# Altium PCB 遥控启停.PcbDoc
Units mil, origin at the board's own origin, x right, y up, seen from the top; angles counter-clockwise.
Board outline 1860.24 x 2647.64 mil, 2 copper layers (Top Layer, Bottom Layer); 53 components, 38 nets, 167 pads, 35 vias.
Unrouted connection lines stored in the file: 44.
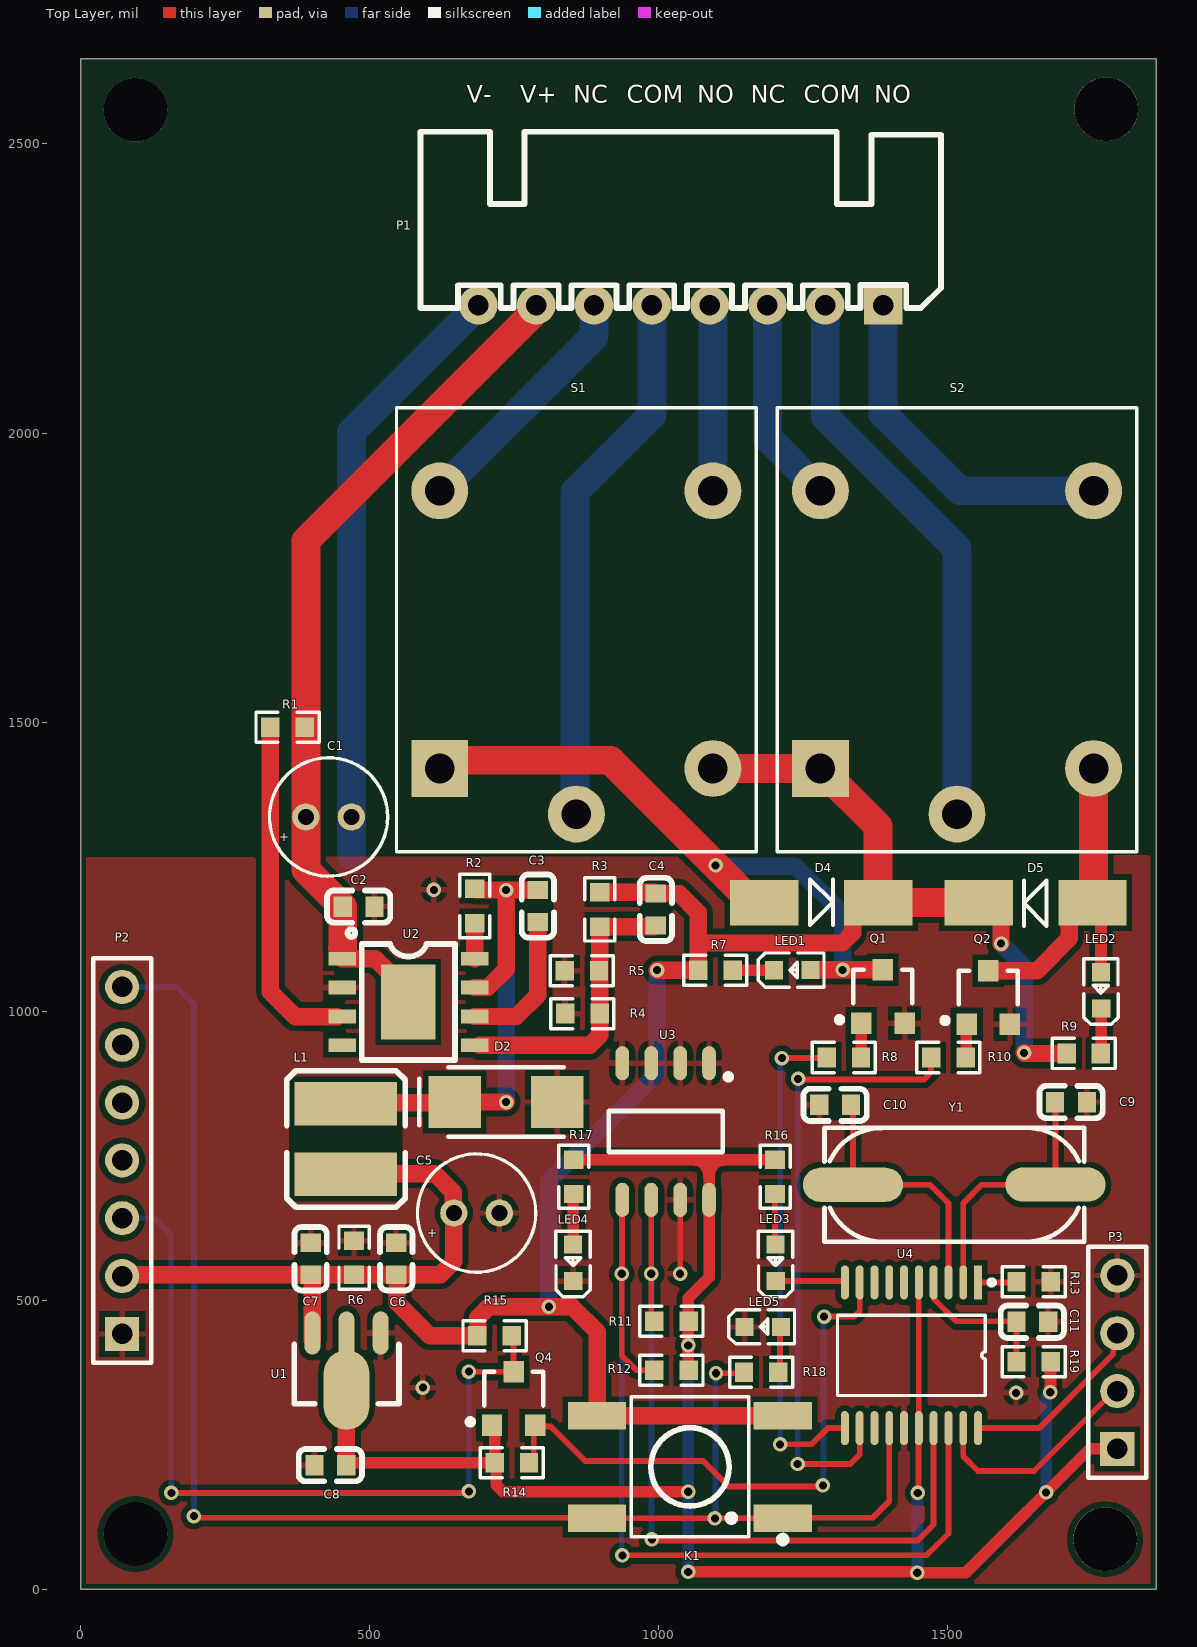
[diagram p0: Top Layer view]
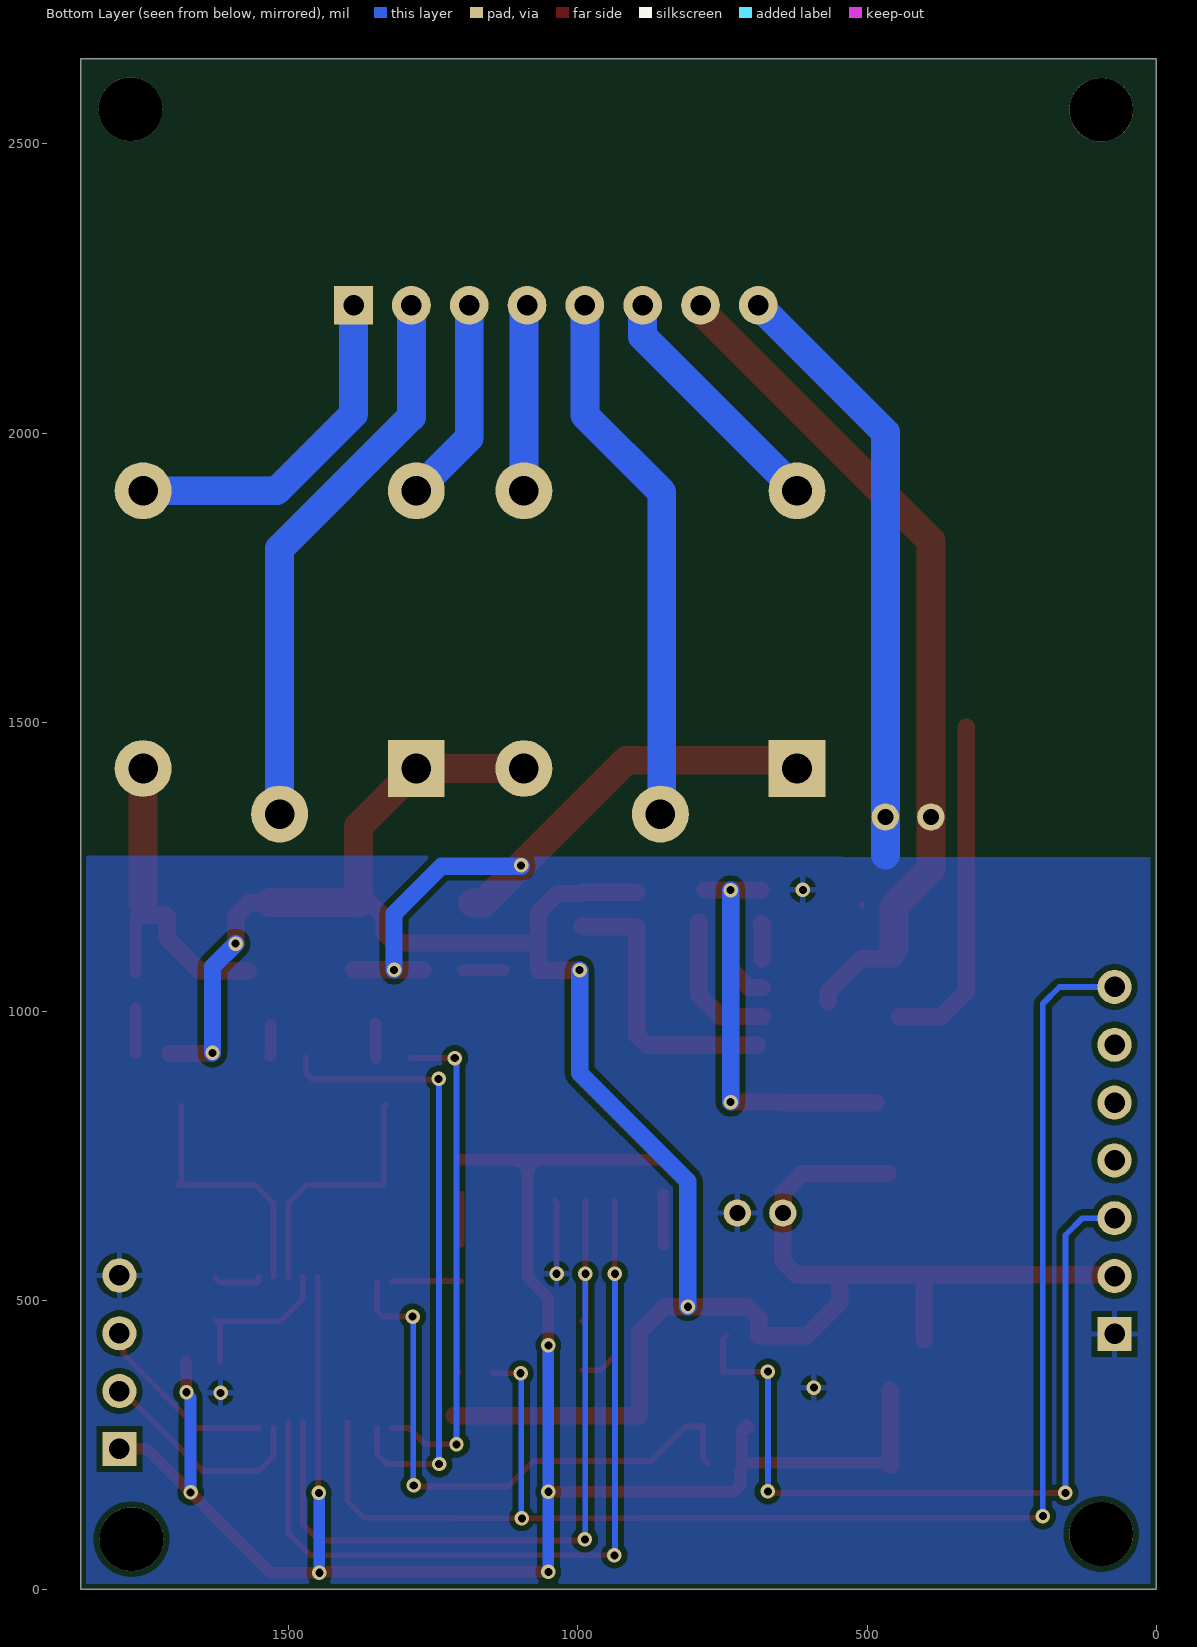
[diagram p1: Bottom Layer view, seen from below]
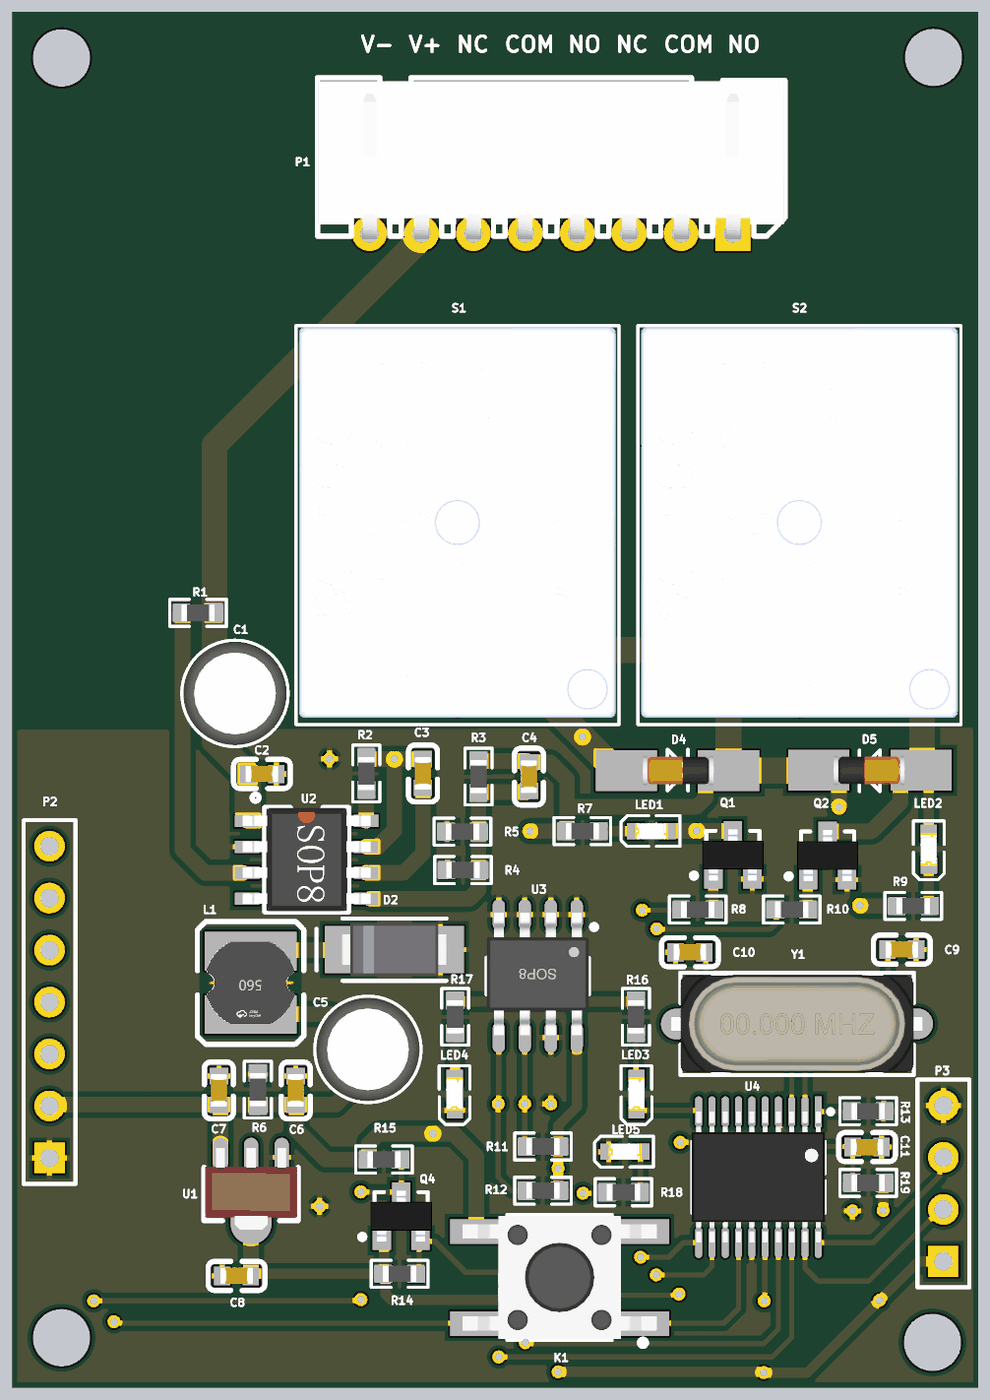
[diagram p2: 3D render of the assembled board from above, using the file's embedded part models]

## Layer stack, top to bottom
Top Solder: solder mask 0.4, Solder Resist, Dk 3.5
Top Layer: signal copper 1.4
Dielectric 1: dielectric 12.6, FR-4, Dk 4.8
Bottom Layer: signal copper 1.4
Bottom Solder: solder mask 0.4, Solder Resist, Dk 3.5

## Board outline
0,0 0,2647.64 1860.24,2647.64 1860.24,0

## Design rules (kind name [scope] priority, off if disabled: settings)
BoardOutlineClearance [All] p1: gap=10 ignorepadtopadclearanceinfootprint=FALSE
Clearance Clearance_1 [InPolygon] p1: gap=10 ignorepadtopadclearanceinfootprint=TRUE
Clearance [All] p2: gap=10 ignorepadtopadclearanceinfootprint=TRUE except(0: Arc-Hole Track-Hole SMDPad-Hole THPad-Hole Via-Hole Fill-Hole Poly-Hole Region-Hole Text-Hole)
PolygonConnect [All] p1: connectstyle=Relief reliefconductorwidth=10 reliefentries=4 polygonreliefangle="90 Angle" airgapwidth=10
RoutingVias [All] p1: holewidth=14 width=25 viastyle="Through Hole" minholewidth=14 minwidth=25 maxholewidth=28 maxwidth=50
SolderMaskExpansion [All] p1: expansion=4 istentingtop=FALSE
Width [All] p1: maxlimit=50 minlimit=10 preferedwidth=20
30 further rules are at their usual default settings.

## Components (designator, comment, footprint, x,y, rotation, side; value= is the part's Value field where it differs from the comment)
C1 "Cap Pol" 16V100uF 429,1336 r0 top value=100uF
C2 "100nF" C0603 481,1181 r0 top
C3 "100nF" C0603 791,1182 r90 top
C4 "100nF" C0603 995,1176 r90 top
C5 "Cap Pol" 16V100uF 685,651 r0 top value=100uF
C6 "100nF" C0603 546,572 r270 top
C7 "10uF" C0603 398,572 r270 top
C8 "10uF" C0603 432,215 r0 top
C9 "20pF" C0603 1713,843 r0 top
C10 "20pF" C0603 1305,838 r180 top
C11 "0.1uF" C0603 1646,463 r180 top value=100nF
D2 "SS54" DIODE-SMA 736,843 r180 top
D4 "1N4148" DIODE-1206 1182.57,1187.5 r0 top
D5 "1N4148" DIODE-1206 1750,1188 r180 top
K1 "SW-PB" SW-SMD_4P-L6.0-W6.0 1054,212 r180 top
L1 "47uH" IND-SMD_L4.5-W4.0 459,779 r270 top
LED1 "LED" LED0603-RD_RED 1231,1071 r0 top
LED2 "LED" LED0603-RD_RED 1765,1036 r90 top
LED3 "LED0" LED0603-RD_RED 1202.13,565 r90 top
LED4 "LED0" LED0603-RD_RED 852,565 r90 top
LED5 "LED0" LED0603-RD_RED 1180,454 r0 top
P1 "Header 8" XH2.54-W-8P 1038,2221 r180 top
P2 "Header 7" HDR1X7 72,442 r90 top
P3 "Header 4" HDR1X4 1793,243 r90 top
Q1 "SS8050" SOT-23 1387.6,1025.26 r0 top
Q2 "SS8050" SOT-23 1570,1024 r0 top
Q4 "AO3400" SOT-23-MOSFET 749,330 r0 top
R1 "470K" R0603 358,1491 r180 top
R2 "0.05" R0603 682,1182 r90 top
R3 "3.6k" R0603 898,1176 r90 top
R4 "nc" R0603 868,996 r0 top
R5 "1.2K" R0603 867,1070 r0 top
R6 "1K" R0603 473,573.66 r270 top
R7 "10K" R0603 1098,1071 r180 top
R8 "10K" R0603 1320,920 r180 top
R9 "10K" R0603 1735,927 r180 top
R10 "10K" R0603 1501,920 r180 top
R11 "4.7K" R0603 1022,464 r0 top
R12 "4.7K" R0603 1022,379 r0 top
R13 "10K" R0603 1648.25,532 r0 top
R14 "4.7K" R0603 746,219 r180 top
R15 "4.7K" R0603 716,439 r180 top
R16 "1K" R0603 1201.13,713.66 r90 top
R17 "1K" R0603 853,713.66 r90 top
R18 "1K" R0603 1176.98,375.95 r180 top
R19 "10K" R0603 1648.25,394 r180 top
S1 "Relay" SongLe_Relay 857.4,1659.92 r270 top
S2 "Relay" SongLe_Relay 1515.78,1659.92 r270 top
U1 "AMS1117-3.3" SOT89 460,394.2 r90 top
U2 "EG1192L" ESOP-8_L4.9-W3.9-P1.27-LS6.0-BL-EP 567,1016 r270 top
U3 "M24C02-WMN6TP" SOP-8 1012,792 r270 top
U4 "STM32F030F4P6" TSSOP20 1437,405 r270 top
Y1 "Passive_Crystal_2Pin" X-SM49 1511,700 r0 top value=8M

## Footprints (in the part's own frame and the unit in brackets; to place one, negate y for a bottom-side part, rotate by r counter-clockwise, add the part's x,y. Pads: shape width x height; smd on the part's side, far side on the other; paste and mask are expansions set on the pad)
16V100uF [mm]
  round 1.2 hole 0.7: 1(-1,0) 2(1,0)
  silkscreen extent -2.6,-2.6 2.6,2.6, body extent -2.5,-2.5 2.5,2.5, height 11
C0603 [mm]
  rect 0.8x0.9 smd: 1(-0.7,0) 2(0.7,0)
  silkscreen extent -1.39,-0.71 1.39,0.71, body extent -0.8,-0.4 0.8,0.4, height 0.76
DIODE-1206 [mm] "玻璃封装二极管"
  rect 3x2 smd: 1(0,0) 2(5,0)
  silkscreen extent 2.01,-0.97 3.01,1.03, body extent 0.79,-0.73 4.29,0.73, height 1.43
DIODE-SMA [mm] "1N5822二极管-SMA/214AC"
  rect 2.3x2.3 smd: 1(-2.25,0) 2(2.25,0)
  silkscreen extent -2.54,-1.52 3.81,1.52, body extent -2.6,-1.3 2.6,1.3, height 2.7
ESOP-8_L4.9-W3.9-P1.27-LS6.0-BL-EP [mm]
  rect 0.6x1.2 smd: 1(-1.905,-2.908) 2(-0.635,-2.908) 3(0.635,-2.908) 4(1.905,-2.908) 5(1.905,2.908) 6(0.635,2.908) 7(-0.635,2.908) 8(-1.905,2.908)
  rect 3.3x2.4 smd: 9(0,0)
  silkscreen extent -3.2,-2.67 2.55,2.05, body extent -2.53,-3.13 2.53,3.13, height 1.76
HDR1X4 [mm] "Connector; Header; 4 Position"
  rect 1.5x1.5 hole 0.9: 1(0,0)
  round 1.5 hole 0.9: 2(2.54,0) 3(5.08,0) 4(7.62,0)
  silkscreen extent -1.27,-1.27 8.89,1.27
HDR1X7 [mm] "Connector; Header; 7 Position"
  rect 1.5x1.5 hole 0.9: 1(0,0)
  round 1.5 hole 0.9: 2(2.54,0) 3(5.08,0) 4(7.62,0) 5(10.16,0) 6(12.7,0) 7(15.24,0)
  silkscreen extent -1.27,-1.27 16.51,1.27
IND-SMD_L4.5-W4.0 [mm]
  rect 1.9x4.5 smd: 1(-1.55,0) 2(1.55,0)
  silkscreen extent -3,-2.6 3,2.6, body extent -2,-2.16 2,2.16, height 3.21
LED0603-RD_RED [mm]
  rect 0.8x0.8 smd: 1(0.8,0.003) 2(-0.8,-0.003)
  silkscreen extent -1.49,-0.75 1.39,0.76, body extent -0.81,-0.4 0.81,0.41, height 0.6
R0603 [mil]
  rect 31.75x34.02 smd paste-3937.01 mask+2: 1(-29.66,0) 2(29.66,0)
  silkscreen extent -55,-26 55,26, body extent -32,-16 32,16, height 17
SongLe_Relay [mm]
  rect 2.5x2.5 hole 1.3: 1(6.1,-6)
  round 2.5 hole 1.3: 2(8.1,0) 3(6.1,6) 4(-6.1,6) 6(-6.1,-6)
  silkscreen extent -9.75,-7.9 9.75,7.9, body extent -9.68,-7.75 9.42,7.75, height 15.6
SOP-8 [mm]
  oval 1.5x0.6 smd: 1(-3,1.905) 2(-3,0.635) 3(-3,-0.635) 4(-3,-1.905) 5(3,-1.905) 6(3,-0.635) 7(3,0.635) 8(3,1.905)
  silkscreen extent -2.52,-2.5 0.9,2.88, body extent -3.1,-2.5 2.9,2.5, height 1.9
SOT89 [mm] "SOT89封装"
  oval 1.9x0.7 smd: 1(1.25,-1.5) 3(1.25,1.5)
  oval 3.5x2 smd: 2(-1.25,0)
  oval 2.1x0.7 smd: 2(1.151,0)
  silkscreen extent -1.85,-2.3 0.75,2.3, body extent -2.3,-2.25 1.7,2.25, height 1.5
SOT-23 [mm]
  rect 0.9x0.95 smd: 1(-0.95,-1.175) 2(0.95,-1.175) 3(0,1.175)
  silkscreen extent -2.03,-1.14 1.3,1.18, body extent -1.5,-1.25 1.5,1.25, height 1.15
SOT-23-MOSFET [mm] "SOT-23封装MOSFET"
  rect 0.9x0.95 smd: D(0,1.175) G(-0.95,-1.175) S(0.95,-1.175)
  silkscreen extent -2.03,-1.14 1.3,1.18, body extent -1.5,-1.25 1.5,1.25, height 1.15
SW-SMD_4P-L6.0-W6.0 [mm]
  rect 2.55x1.2 smd: 1(-4.075,2.25) 1(4.075,2.25) 2(-4.075,-2.25) 2(4.075,-2.25)
  silkscreen extent -4.23,-3.08 2.57,3.34, body extent -4.75,-3 4.75,3, height 7.42
TSSOP20 [mm]
  rect 1.5x0.35 smd: 1(-3.2,2.925)
  oval 1.5x0.35 smd: 2(-3.2,2.275) 3(-3.2,1.625) 4(-3.2,0.975) 5(-3.2,0.325) 6(-3.2,-0.325) 7(-3.2,-0.975) 8(-3.2,-1.625) 9(-3.2,-2.275) 10(-3.2,-2.925) 11(3.2,-2.925) 12(3.2,-2.275) 13(3.2,-1.625) 14(3.2,-0.975) 15(3.2,-0.325) 16(3.2,0.325) 17(3.2,0.975) 18(3.2,1.625) 19(3.2,2.275) 20(3.2,2.925)
  silkscreen extent -3.3,-3.25 1.77,3.63, body extent -3.2,-3.25 3.2,3.25, height 1.2
X-SM49 [mm] "贴片晶振"
  oval 4.4x1.5 smd: 1(4.45,0.004) 2(-4.45,-0.004)
  silkscreen extent -5.7,-2.5 5.72,2.5, body extent -6.15,-2.35 6.15,2.35, height 4.4
XH2.54-W-8P [mm] "接插件，8P"
  rect 1.7x1.7 hole 0.9: 1(-8.89,0)
  round 1.7 hole 0.9: 2(-6.35,0) 3(-3.81,0) 4(-1.27,0) 5(1.27,0) 6(3.81,0) 7(6.35,0) 8(8.89,0)
  silkscreen extent -11.43,-7.62 11.43,0.13, body extent -11.4,-7.45 11.38,0.25, height 2.89

## Part data
C1 C5: "极性电解电容", LatestRevisionDate=17-Jul-2002, LatestRevisionNote="Re-released for DXP Platform.", PackageReference=RB7.6-15, Published=8-Jun-2000, Publisher="Altium Limited", Vol=16V
C2 C3 C4 C6 C7 C8 C9 C10: library part Cap, "无极性电容", LatestRevisionDate=17-Jul-2002, LatestRevisionNote="Re-released for DXP Platform.", PackageReference=RAD-0.3, Published=8-Jun-2000, Publisher="Altium Limited"
C11: library part Cap, "Capacitor", LatestRevisionDate=17-Jul-2002, LatestRevisionNote="Re-released for DXP Platform.", PackageDescription="Radial Cap, Thru-Hole; 2 Leads; 0.3 in Pin Spacing", PackageReference=RAD-0.3, Published=8-Jun-2000, Publisher="Altium Limited"
D2 D4 D5: library part Diode, "二极管"
K1: "微动开关", LatestRevisionDate=17-Jul-2002, LatestRevisionNote="Re-released for DXP Platform.", PackageReference=SPST-2, Published=24-Mar-1999, Publisher="Altium Limited", Suppliter Part=C961737
L1: library part Inductor, "电感", Code_IEC=1005, Code_JEITA=0402, LatestRevisionDate=17-Jul-2002, LatestRevisionNote="Re-released for DXP Platform.", PackageReference=0402-A, Published=8-Jun-2000, Publisher="Altium Limited"
LED1 LED2: "发光二极管", LatestRevisionDate=08-Jul-2005, LatestRevisionNote="Mech Layer 1 removed.", PackageReference=LED-0, Published=8-Jun-2000, Publisher="Altium Limited"
LED3 LED4 LED5: "Typical INFRARED GaAs LED", LatestRevisionDate=08-Jul-2005, LatestRevisionNote="Mech Layer 1 removed.", PackageDescription="LED; 2 Leads", PackageReference=LED-0, Published=8-Jun-2000, Publisher="Altium Limited"
P1: "Header, 8-Pin", LatestRevisionDate=17-Jul-2002, LatestRevisionNote="Re-released for DXP Platform.", Publisher="Altium Limited"
P2: "Header, 7-Pin", LatestRevisionDate=17-Jul-2002, LatestRevisionNote="Re-released for DXP Platform.", Publisher="Altium Limited"
P3: "Header, 4-Pin", LatestRevisionDate=17-Jul-2002, LatestRevisionNote="Re-released for DXP Platform.", Publisher="Altium Limited"
Q1 Q2: "NPN贴片三极管", PackageDocument=Sep-1998, Code_JEDEC=TO-92A, ComponentLink1Description="Manufacturer Link", ComponentLink1URL=http://www.fairchildsemi.com/, ComponentLink2Description=Datasheet, ComponentLink2URL=http://www.fairchildsemi.com/ds/2N%2F2N3904.pdf, DatasheetDocument=1997, LatestRevisionDate=15-Jan-2003, LatestRevisionNote="PCB Footprint 'BCY-W3/D4.7' replaced", PackageReference=TO-92A, Published=8-Jun-2000, Publisher="Altium Limited"
Q4: library part MOSFET-N, "N沟道MOS管"
R1 R2 R3 R4 R5 R6 R7 R8 R9 R10 R11 R12 R13 R14 R15 R16 R17 R18 R19: library part Res, "贴片电阻", LatestRevisionDate=17-Jul-2002, LatestRevisionNote="Re-released for DXP Platform.", PackageReference=AXIAL-0.4, Published=8-Jun-2000, Publisher="Altium Limited"
S1 S2: "继电器"
U1: library part AMS1117, "3.3V稳压芯片"
U2: "20-100V高压电源管理芯片", Input Voltage=10V~100V, JLCPCB Part Class="Extended Part", LCSC Part Name=零功耗使能降压DCDC电源芯片, Manufacturer=EG(屹晶微), Operating Temperature=-45℃~+125℃, Output Current=3A, Output Voltage=-, Quiescent Current (Iq)=2uA, Switching Frequency=110kHz, Add into BOM=yes, Convert to PCB=yes, Datasheet=https://atta.szlcsc.com/upload/public/pdf/source/20220401/C4C4A2A7D21C9FC2776ECF40A6ED664C.pdf, Device=EG1192L, Function=降压型, Manufacturer Part=EG1192L, Number of Outputs=1, Output Type=可调, Supplier=LCSC, Supplier Footprint=ESOP-8, Supplier Part=C2987436, Switch tube (built-in/external)=内置, Symbol=EG1192L, Synchronous Rectification=是, Topology=降压式
U3: JLCPCB Part Class="Extended Part", Manufacturer=ST(意法半导体), Operating Temperature=-40℃~+85℃, Supply Voltage=2.5V~5.5V, Add into BOM=yes, Convert to PCB=yes, Data Retention - TDR (Year)=200年, Datasheet=https://atta.szlcsc.com/upload/public/pdf/source/20140724/1457707167301.pdf, Device=M24C02-WMN6TP, Interface Type=I2C, LCSC Part Name=M24C02-WMN6TP, Manufacturer Part=M24C02-WMN6TP, Memory Size=2Kbit, Supplier=LCSC, Supplier Footprint=SOIC-8, Supplier Part=C7562, Symbol=M24C02-WMN6TP, Write Cycle Endurance=1200000次, Write Cycle Time (Tw)=5ms
U4: "STM32F030F4P6_CortexM0芯片"
Y1: "两脚无源晶振", LatestRevisionDate=17-Jul-2002, LatestRevisionNote="Re-released for DXP Platform.", PackageReference=R38, Published=8-Jun-2000, Publisher="Altium Limited"

## Free pads (board coordinates)
  round 110.24 hole 110.24 unplated: 0(95,96) 0(95,2559) 0(1772,87) 0(1774,2560)

## Via types
v1: diameter 25, hole 14, Top Layer to Bottom Layer, 35 vias

## Nets (pads, with @x,y where several pads share a name; then routed paths per layer and width w, separated by ;. In a path a pad name is that pad's centre, name@x,y a point inside that pad or via, vN(x,y) a via of type N, cw(c..) or ccw(c..) an arc to the next point about the centre after c; other vN are vias at no path point)
+3.3V: C8.2 P3.1 Q4.G R11.2 R12.2 R14.2 R16.2 R17.2 R19.1 U1.2 U3.8 U4.5 U4.16 | length 3518.1
  Top Layer w10: v1(1447.89,167) v1@1449.4,168.51 ; v1@1449.4,167 1449.4,288.62 1449.8,289.02 U4.5@1449.8,540.98
  Top Layer w20: C8.2@463.56,219 R14.2 716.34,276.66 709,284 Q4.G@704.56,279.56 ; R14.2@718.83,206 718.83,180.72 730.54,169 v1(1051,169) ; R17.2 1087,743.32 ; v1(1051,30.5) 1444.15,30.5 1445.65,29 1531,29 1745,243 P3.1 ; R12.2@1051,381.66 1051.33,381.99 1051.33,421.67 v1(1051,422) 1051.33,422.33 1051.33,504.33 1087,540 U3.8 1087,743.32 ; R16.2 1087,743.32 ; v1(1677,341) 1677.45,341.45 1677.45,393.55 R19.1
  Top Layer w30: U1.2@460,345 459.78,344.78 C8.2@459.78,217.19 ; C8.2@463.56,219 462.28,217.72 460.31,217.72 C8.2@459.78,217.19 ; C8.2@459.78,217.19 459.56,216.97 C8.2 459.78,215.22 C8.2@459.78,217.19
  Bottom Layer w20: v1(1051,30.5) v1(1051,422) ; v1(1447,29) 1447.44,29.44 1447.44,166.56 v1(1447.89,167) ; v1(1670,168) 1670,332.65 1677,339.65 v1(1677,341)
+5V: C4.2 C5.1 C6.2 C7.2 D4.2 D5.2 K1.2 L1.2 P2.2 R3.2 R6.2 R7.2 R9.2 R15.2 S1.3 S2.1 U1.3 | length 4313.5
  Top Layer w30: P2.2@65,555 P2.2@70.56,549.44 ; P2.2 74.44,544.44 C7.2 ; U1.3@400.95,431.9 400.95,543.46 399.97,544.44 473,544.44 C6.2 ; L1.2@464,718.98 613.02,718.98 644.79,687.21 644.79,651.84 C5.1 645.63,567.63 622.44,544.44 C6.2 ; R3.2 990.93,1205.66 992.28,1204.31 C4.2@992.9,1204.31 ; C4.2 1035.44,1203.56 1068.34,1170.66 1068.34,1118 ; v1(997,1071) R7.2 1068.34,1118 ; 1131.58,300.58 893.57,300.58 893.57,445.44 850,489 706,489 687.22,470.22 687.22,439.88 R15.2 604,439 547.33,495.67 547.33,543.69 546.58,544.44 C6.2 ; 1132,301 1132.42,300.58 K1.2@1214.44,300.58 ; D4.2 1359.74,1187.5 1335.37,1163.13 1335.37,1135.57 1317.8,1118 1068.34,1118 ; D5.2 1567.63,1188 1592,1163.63 v1@1592,1117.31 ; v1(1632,928) 1633,927 R9.2
  Top Layer w50: S1.3 S2.1 1379.43,1319.9 D4.2 1379.68,1187.75 D5.2@1531.47,1187.75
  Bottom Layer w30: v1(810,489) 810,706 997,893 v1(997,1071) ; v1(1592,1117) 1632,1077 v1(1632,928)
BOOT0: R13.1 U4.1 | length 87.3
  Top Layer w10: U4.1@1552.16,540.89 1552.16,532.89 1554.05,531 1619.34,531 R13.1@1627.34,539
COM1: P1.5 S1.2 | length 935.1
  Bottom Layer w50: S1.2@855,1341.02 855,1898 988,2031 P1.5
COM2: P1.2 S2.2 | length 984.3
  Bottom Layer w50: P1.2 1288,2028 1515.78,1800.22 S2.2@1515.78,1331.02
D0_3.3V: Q4.S R14.1 U4.9 | length 1021
  Top Layer w10: R14.1 783.8,227.14 783.8,284 786.06,281.74 813.26,281.74 873,222 1077,222 1121,178 1282,178 v1(1284,180) ; v1(1286,472) 1338,472 1347.43,481.43 U4.9
  Bottom Layer w10: v1(1284,180) 1285,181 1285,471 v1(1286,472)
D0_5V: P2.3 Q4.D R15.1 | length 1406.6
  Top Layer w10: v1(157,167) 669,167 v1(671.5,169.5) ; v1@671.56,376.58 Q4.D@747,376.58 ; R15.1@742.66,439 749,432.66 Q4.D
  Top Layer w20: v1(671.5,376.64) v1@671.56,376.58
  Bottom Layer w10: P2.3 128,642 157,613 v1(157,167) ; v1(671.5,169.5) v1(671.5,376.64)
GND: C1.2 C2.2 C5.2 C6.1 C7.1 C8.1 C9.2 C10.2 C11.1 D2.1 LED4.2 LED5.2 P1.8 P2.1 P3.4 Q1.2 Q2.2 R4.1 R5.1 R6.1 R13.2 U1.1 U2.2 U3.1 U3.2 U3.3 U3.4 U3.7 U4.15 | length 1171.6
  Top Layer w10: C2.2@508.56,1183.03 C2.2@508.56,1185 ; v1(1037,546) 1037,669.96 U3.7@1039.61,672.56
  Bottom Layer w50: 468.37,1270 468.37,2001.37 P1.8
  other v1: 1618,340 592,349 611,1210
NC1: P1.6 S1.6 | length 431.4
  Bottom Layer w50: S1.6 888,2166.9 P1.6
NC2: P1.3 S2.6 | length 365.9
  Bottom Layer w50: P1.3 1188,1991.64 S2.6 ; S2.6@1274.56,1895.08 S2.6@1279.56,1890.08
NetC3_1: C3.1 U2.6 | length 251.3
  Top Layer w30: U2.6 754,991 791,1028 C3.1
NetC3_2: C3.2 D2.2 L1.1 R2.2 U2.7 | length 919.3
  Top Layer w30: L1.1@485,842.02 D2.2@647.42,842.02 ; D2.2 v1(736,843) ; U2.7 704.43,1041 736,1072.57 v1(736,1209.56) ; R2.2@683.88,1209.78 718.06,1209.78 718.28,1209.56 v1(736,1209.56) ; C3.2@781,1209.56 v1(736,1209.56)
  Bottom Layer w30: v1(736,843) v1(736,1209.56)
NetC4_1: C4.1 R3.1 R4.2 R5.2 U2.5 | length 498.5
  Top Layer w30: U2.5@690.12,940.92 880.43,940.92 898,958.5 898,986 898,1060 898,1070 R3.1 990.93,1146.34 992.28,1147.69 C4.1@992.9,1147.69
NetC9_1: C9.1 U4.2 Y1.1 | length 444.9
  Top Layer w10: U4.2@1526.57,540.98 1526.57,668.02 1558.37,699.83 1680.2,699.83 Y1.1@1691.74,699.83 ; Y1.1@1680.2,700.17 1686.2,706.17 C9.1@1686.2,837.24
NetC10_1: C10.1 U4.3 Y1.2 | length 444.9
  Top Layer w10: C10.1 1335.8,834.76 Y1.2 1469.17,699.83 1500.98,668.02 U4.3@1500.98,540.98
NetD4_1: D4.1 LED1.2 Q1.3 S1.1 | length 1140.4
  Top Layer w30: 1267.86,1071.52 v1(1318,1071.52) Q1.3
  Top Layer w50: S1.1 635.42,1434 916.39,1434 v1(1098.19,1252.19) 1162.89,1187.5 D4.1
  Bottom Layer w30: v1@1098.19,1251 1236,1251 1318,1169 v1(1318,1071.52)
NetD5_1: D5.1 LED2.2 Q2.3 S2.3 | length 582
  Top Layer w20: 1764.86,1067.48 D5.1@1764.86,1166
  Top Layer w30: Q2.3 1654.26,1070.26 1709.97,1125.97 1709.97,1163.63 1712.34,1166 1750,1166 1750,1173.14 D5.1
  Top Layer w50: D5.1@1752,1190 S2.3@1752,1409.76
NetLED1_1: LED1.1 R7.1 | length 71.9
  Top Layer w20: R7.1 1127.73,1070.93 1199.45,1070.93 1199.52,1070.87
NetLED2_1: LED2.1 R9.1 | length 77.7
  Top Layer w20: R9.1 1764.9,927.24 1764.9,1004.28 1765.13,1004.52
NetLED3_1: LED3.1 R16.1 | length 87.9
  Top Layer w10: R16.1 1201.13,597.35 LED3.1
NetLED4_1: LED4.1 R17.1 | length 88
  Top Layer w20: LED4.1 852.43,597.05 852.43,683.43 R17.1
NetLED5_1: LED5.1 R18.1 | length 81.3
  Top Layer w10: R18.1 1209.47,378.77 LED5.1@1209.47,456.08
NetQ1_1: Q1.1 R8.1 | length 59.3
  Top Layer w20: R8.1 1349.93,920.27 1349.93,978.59 1350.27,978.93 Q1.1
NetQ2_1: Q2.1 R10.1 | length 54.4
  Top Layer w20: Q2.1@1531.63,976.77 1531.63,923.71 R10.1@1532.47,922.87 ; R10.1@1533.53,922.87 R10.1@1533.66,923
NetR1_2: R1.2 U2.3 | length 590.7
  Top Layer w30: R1.2 328.34,1033.66 371.46,990.54 U2.3@443.88,990.54
NetR2_1: R2.1 U2.8 | length 61.3
  Top Layer w30: U2.8 681.5,1150.46 682.38,1151.34 R2.1@683,1151.34
NO1: P1.4 S1.4 | length 323.2
  Bottom Layer w50: P1.4 1091.24,2217.76 1091.24,2205.79 1093.62,2203.41 S1.4
NO2: P1.1 S2.4 | length 607.1
  Bottom Layer w50: P1.1 1388,2033 1520.92,1900.08 S2.4
NRST: C11.2 R19.2 U4.4 | length 276.9
  Top Layer w10: U4.4@1475.39,540.98 1476.11,540.26 1476.11,502.26 1514.37,464 C11.2@1627.34,464 ; R19.2 1618.59,458.71 C11.2@1622.88,463
PA4: LED3.2 U4.10 | length 121.1
  Top Layer w10: LED3.2 1320.1,533.52 1321.84,531.78 U4.10
RELAY_1: R8.2 U4.11 | length 875.9
  Top Layer w10: v1@1204.56,251 v1(1210,251) 1264.2,251 1292.21,279.02 U4.11 ; v1(1213,919) 1289.34,919 R8.2
  Bottom Layer w10: v1(1210,251) 1210,911.94 1213,914.94 v1(1213,919)
RELAY_2: R10.2 U4.12 | length 1078.4
  Top Layer w10: v1(1240,217) 1331,217 1347.43,233.43 U4.12 ; v1@1250,881.98 1458.98,881.98 1470.85,893.85 1470.85,919.51 R10.2
  Bottom Layer w10: v1(1240,217) 1240.5,217.5 1240.5,882.5 v1(1241,883)
SCL: R11.1 U3.6 U4.17 | length 1348.2
  Top Layer w10: U3.6 987,469.34 R11.1 ; v1(988,86.5) 989.7,84.8 1447.8,84.8 1475.39,112.39 U4.17@1475.39,289.02
  Bottom Layer w10: v1(987,546) 987.5,545.5 987.5,87 v1(988,86.5)
SDA: R12.1 U3.5 U4.18 | length 1589.9
  Top Layer w10: v1(937,59) 1463,59 1500.98,96.98 U4.18@1500.98,289.02 ; U3.5 936.5,673.39 936.5,540.5 936,540 936,404.46 961.46,379 R12.1
  Bottom Layer w10: v1@936,540 936,60 v1(937,59)
  other v1: 936,546
SWCLK: P3.3 U4.20 | length 325.8
  Top Layer w10: U4.20 1658.02,279.02 1786.01,407.01 1786.01,436.01 P3.3
SWDIO: P3.2 U4.19 | length 378.1
  Top Layer w10: U4.19 1526.57,230.43 1552,205 1649,205 P3.2@1788,344
V+: C1.1 C2.1 P1.7 R1.1 U2.1 U2.9 | length 1458.6
  Top Layer w30: U2.1 509.72,1091 567,1033.72 U2.9
  Top Layer w50: 453,1110 453.44,1110.44 C2.1 389.63,1244.81 C1.1 389.63,1813.63 779.54,2203.54 779.54,2207.95 788,2216.42 P1.7
VT: K1.1 P2.7 R18.2 U4.14 | length 2675.9
  Top Layer w10: v1(196,127) 200.06,127 203.06,124 893.57,124 894.57,123 1213.44,123 1214.44,124 1370,124 1398.61,152.61 U4.14@1398.61,289.02 ; v1(1099,374) 1145.37,374 R18.2
  Bottom Layer w10: P2.7 167,1042 196,1013 v1(196,127) ; v1(1097,123) 1098,124 1098,373 v1(1099,374)
pads on no net: P2.4 P2.5 P2.6 U2.4 U4.6 U4.7 U4.8 U4.13

## Polygon pours and split planes (outlines as drawn)
GND on Bottom Layer "GND_L02_P002" (solid, pour order 2): 0,1266 0,0 1861,0 1861,1270
GND on Top Layer "GND_L01_P000" (solid, remove dead copper, pour order 0): 0,1266 0,0 1861,0 1861,1270

## Other copper
Top Layer:
  pour cut-out: 360.42,887.42 360.42,670.58 557.58,670.58 557.58,887.42

## Silkscreen, mask and mechanical layers (free items; w line width, h text height)
Top Overlay:
  text "V-" at 668,2571 h30
  text "V+" at 760.15,2571 h30
  text "NC" at 852.29,2571 h30
  text "COM" at 944.44,2571 h30
  text "NO" at 1066.57,2571 h30
  text "NC" at 1158.72,2571 h30
  text "COM" at 1250.86,2571 h30
  text "NO" at 1373,2571 h30
Mechanical 1:
  the board outline again, w10

## Text inside footprints (layer, text, board x,y; h text height)
C1: Top Overlay "+" at 344,1294 h15
C5: Top Overlay "+" at 600,609 h15